# Altium PCB XMOS_TSBOARD.PcbDoc (part 1 of 3) (continued)
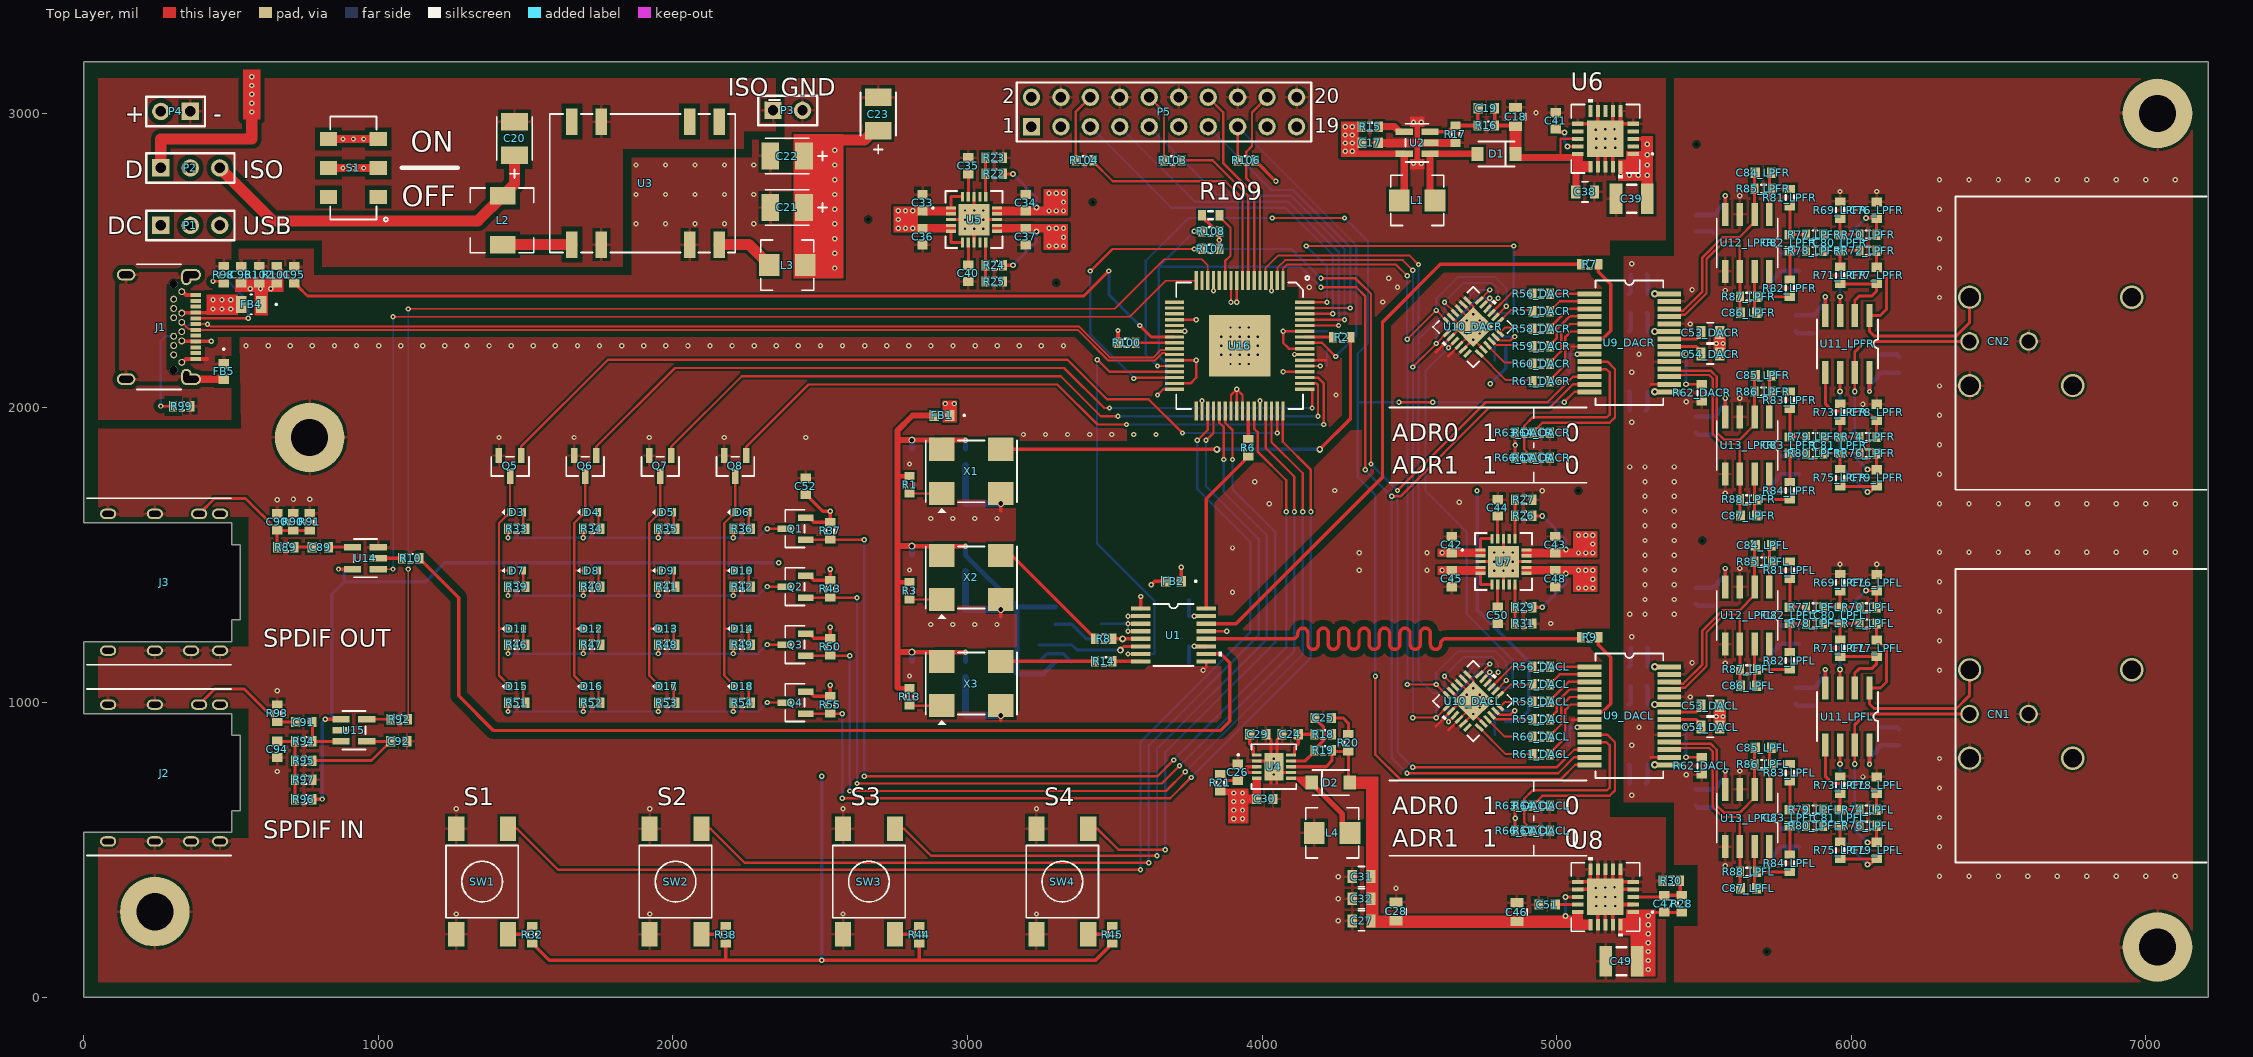
[diagram p0: Top Layer view]
## Components (designator, comment, footprint, x,y, rotation, side; value= is the part's Value field where it differs from the comment) (continued)
C65_LPFL "Cap Pol3" C0805 5762.32,1229.53 r90 bottom locked value=10uF (schematic designator C65)
C65_LPFR "Cap Pol3" C0805 5762.32,2494.53 r90 bottom locked value=10uF (schematic designator C65)
C66_LPFL "Cap Pol3" C0805 6102.32,884.53 r90 bottom locked value=10uF (schematic designator C66)
C66_LPFR "Cap Pol3" C0805 6102.32,2149.53 r90 bottom locked value=10uF (schematic designator C66)
C67_LPFL "Cap Semi" 1608[0603] 5822.32,537.56 r270 bottom locked value=100nF (schematic designator C67)
C67_LPFR "Cap Semi" 1608[0603] 5822.32,1802.56 r270 bottom locked value=100nF (schematic designator C67)
C68_LPFL "Cap Semi" 1608[0603] 5822.32,1227.56 r270 bottom locked value=100nF (schematic designator C68)
C68_LPFR "Cap Semi" 1608[0603] 5822.32,2492.56 r270 bottom locked value=100nF (schematic designator C68)
C69_LPFL "Cap Semi" 1608[0603] 6162.32,882.56 r270 bottom locked value=100nF (schematic designator C69)
C69_LPFR "Cap Semi" 1608[0603] 6162.32,2147.56 r270 bottom locked value=100nF (schematic designator C69)
C70_LPFL "Cap Semi" 1608[0603] 5812.32,1022.44 r90 bottom locked value=100nF (schematic designator C70)
C70_LPFR "Cap Semi" 1608[0603] 5812.32,2287.44 r90 bottom locked value=100nF (schematic designator C70)
C71_LPFL "Cap Pol3" C0805 5872.32,1020.47 r90 bottom locked value=10uF (schematic designator C71)
C71_LPFR "Cap Pol3" C0805 5872.32,2285.47 r90 bottom locked value=10uF (schematic designator C71)
C72_LPFL "Cap Semi" 1608[0603] 5472.32,1362.44 r90 bottom locked value=100nF (schematic designator C72)
C72_LPFR "Cap Semi" 1608[0603] 5472.32,2627.44 r90 bottom locked value=100nF (schematic designator C72)
C73_LPFL "Cap Pol3" C0805 5532.32,1360.47 r90 bottom locked value=10uF (schematic designator C73)
C73_LPFR "Cap Pol3" C0805 5532.32,2625.47 r90 bottom locked value=10uF (schematic designator C73)
C74_LPFL "Cap Semi" 1608[0603] 5472.32,677.44 r90 bottom locked value=100nF (schematic designator C74)
C74_LPFR "Cap Semi" 1608[0603] 5472.32,1942.44 r90 bottom locked value=100nF (schematic designator C74)
C75_LPFL "Cap Pol3" C0805 5532.32,675.47 r90 bottom locked value=10uF (schematic designator C75)
C75_LPFR "Cap Pol3" C0805 5532.32,1940.47 r90 bottom locked value=10uF (schematic designator C75)
C76_LPFL "Cap Semi" 1608[0603] 6086.85,1407 r90 top locked value=1.8nF (schematic designator C76)
C76_LPFR "Cap Semi" 1608[0603] 6086.85,2672 r90 top locked value=1.8nF (schematic designator C76)
C77_LPFL "Cap Semi" 1608[0603] 6086.85,1185 r270 top locked value=1.8nF (schematic designator C77)
C77_LPFR "Cap Semi" 1608[0603] 6086.85,2450 r270 top locked value=1.8nF (schematic designator C77)
C78_LPFL "Cap Semi" 1608[0603] 6086.85,720 r90 top locked value=1.8nF (schematic designator C78)
C78_LPFR "Cap Semi" 1608[0603] 6086.85,1985 r90 top locked value=1.8nF (schematic designator C78)
C79_LPFL "Cap Semi" 1608[0603] 6086.85,498 r270 top locked value=1.8nF (schematic designator C79)
C79_LPFR "Cap Semi" 1608[0603] 6086.85,1763 r270 top locked value=1.8nF (schematic designator C79)
C80_LPFL "Cap Semi" 1608[0603] 5962.32,1296 r90 top locked value=8.8nF (schematic designator C80)
C80_LPFR "Cap Semi" 1608[0603] 5962.32,2561 r90 top locked value=8.8nF (schematic designator C80)
C81_LPFL "Cap Semi" 1608[0603] 5962.32,609 r90 top locked value=8.8nF (schematic designator C81)
C81_LPFR "Cap Semi" 1608[0603] 5962.32,1874 r90 top locked value=8.8nF (schematic designator C81)
C82_LPFL "Cap Semi" 1608[0603] 5792.32,1296 r90 top locked value=6.8nF (schematic designator C82)
C82_LPFR "Cap Semi" 1608[0603] 5792.32,2561 r90 top locked value=6.8nF (schematic designator C82)
C83_LPFL "Cap Semi" 1608[0603] 5792.32,609 r90 top locked value=6.8nF (schematic designator C83)
C83_LPFR "Cap Semi" 1608[0603] 5792.32,1874 r90 top locked value=6.8nF (schematic designator C83)
C84_LPFL "Cap Semi" 1608[0603] 5701.85,1533.69 r0 top locked value=1.5nF (schematic designator C84)
C84_LPFR "Cap Semi" 1608[0603] 5701.85,2798.69 r0 top locked value=1.5nF (schematic designator C84)
C85_LPFL "Cap Semi" 1608[0603] 5701.85,846 r0 top locked value=1.5nF (schematic designator C85)
C85_LPFR "Cap Semi" 1608[0603] 5701.85,2111 r0 top locked value=1.5nF (schematic designator C85)
C86_LPFL "Cap Semi" 1608[0603] 5651.85,1057.69 r180 top locked value=1.5nF (schematic designator C86)
C86_LPFR "Cap Semi" 1608[0603] 5651.85,2322.69 r180 top locked value=1.5nF (schematic designator C86)
C87_LPFL "Cap Semi" 1608[0603] 5651.85,370 r180 top locked value=1.5nF (schematic designator C87)
C87_LPFR "Cap Semi" 1608[0603] 5651.85,1635 r180 top locked value=1.5nF (schematic designator C87)
C88 "Cap Semi" 1608[0603] 911.78,1453.1 r180 bottom locked value=100nF
C89 "Cap Semi" 1608[0603] 803.23,1527.88 r180 top locked value=100nF
C90 "Cap Semi" 1608[0603] 656.73,1613.16 r270 top locked value=33pF
C91 "Cap Semi" 1608[0603] 747.2,933.94 r0 top locked value=100nF
C92 "Cap Semi" 1608[0603] 1069.76,868.53 r180 top locked value=100nF
C93 "Cap Semi" 1608[0603] 841.73,925.93 r90 bottom locked value=100nF
C94 "Cap Semi" 1608[0603] 656.73,840.97 r90 top locked value=100nF
C95 "Cap Semi" 1608[0603] 715.12,2452.13 r270 top locked value=100nF
C96 "Cap Semi" 1608[0603] 535.12,2452.13 r270 top locked value=1uF
C97 "Cap Semi" 1608[0603] 4220.3,2114.92 r90 bottom locked value=100nF
C98 "Cap Semi" 1608[0603] 3835.3,2351.77 r90 bottom locked value=100nF
C99 "Cap Semi" 1608[0603] 3785.17,2260.59 r180 bottom locked value=100nF
C100 "Cap Semi" 1608[0603] 3796.1,2071.89 r270 bottom locked value=100nF
C101 "Cap Semi" 1608[0603] 3992.95,2071.89 r270 bottom locked value=100nF
C102 "Cap Semi" 1608[0603] 4062.74,2181.85 r0 bottom locked value=100nF
C103 "Cap Semi" 1608[0603] 4032.32,2351.77 r90 bottom locked value=100nF
C104 "Cap Semi" 1608[0603] 4062.74,2122.79 r0 bottom locked value=100nF
C105 "Cap Semi" 1608[0603] 4062.74,2260.59 r0 bottom locked value=100nF
C106 "Cap Semi" 1608[0603] 3785.17,2162.16 r180 bottom locked value=100nF
C107 "Cap Semi" 1608[0603] 3905.3,2351.77 r90 bottom locked value=100nF
C108 "Cap Semi" 1608[0603] 3914.21,2071.89 r270 bottom locked value=100nF
C109 "Cap Semi" 1608[0603] 3759.3,2334.33 r270 bottom locked value=100nF
CN1 "NC3MAH" NC3MAH 7102.32,961.16 r270 top locked
CN2 "NC3MAH" NC3MAH 7102.32,2226.15 r270 top locked
D1 "SL02" DO-219AB 4796.35,2862.6 r0 top locked value="1A 20V"
D2 "SL02" DO-219AB 4233.27,728.19 r180 top locked value="1A 20V"
D3 "BLUE" 0603_LED 1469.85,1646.3 r0 top locked
D4 "BLUE" 0603_LED 1724.81,1646.3 r0 top locked
D5 "BLUE" 0603_LED 1979.77,1646.3 r0 top locked
D6 "BLUE" 0603_LED 2234.73,1646.3 r0 top locked
D7 "BLUE" 0603_LED 1469.85,1448.27 r0 top locked
D8 "BLUE" 0603_LED 1724.81,1448.27 r0 top locked
D9 "BLUE" 0603_LED 1979.77,1448.27 r0 top locked
D10 "BLUE" 0603_LED 2234.73,1448.27 r0 top locked
D11 "BLUE" 0603_LED 1469.85,1250.02 r0 top locked
D12 "BLUE" 0603_LED 1724.81,1250.02 r0 top locked
D13 "BLUE" 0603_LED 1979.77,1250.02 r0 top locked
D14 "BLUE" 0603_LED 2234.73,1250.02 r0 top locked
D15 "BLUE" 0603_LED 1469.85,1054.65 r0 top locked
D16 "BLUE" 0603_LED 1724.81,1054.65 r0 top locked
D17 "BLUE" 0603_LED 1979.77,1054.65 r0 top locked
D18 "BLUE" 0603_LED 2234.73,1054.65 r0 top locked
FB1 "FerriteBeads" 0603 2913.35,1974.7 r180 top locked
FB2 "FerriteBeads" 0603 3699.46,1411.84 r180 top locked
FB3_DACL "FerriteBeads" 0603 4808.58,953.74 r135 bottom locked (schematic designator FB3)
FB3_DACR "FerriteBeads" 0603 4808.58,2223.74 r135 bottom locked (schematic designator FB3)
FB4 "FerriteBeads" 0805 568.62,2351.46 r180 top locked
FB5 "FerriteBeads" 0603 475.12,2124.3 r270 top locked
J1 "UJ31-CH-G1-SMT-TR" UJ31-CH-G1-SMT-TR 380.12,2383.23 r270 top locked
J2 "SJ-3506-SMT-TR" SJ-3506-SMT-TR 250,760.72 r0 top locked
J3 "SJ-3506-SMT-TR" SJ-3506-SMT-TR 250,1408.43 r0 top locked
L1 "SPM" 4240 4526.85,2705 r180 top locked value=6.8uH
L2 "SPM" 5250 1422.36,2637.26 r90 top locked value=10uH
L3 "SPM" 4240 2388.35,2485 r180 top locked value=4.7uH
L4 "SPM" 4240 4238.27,557.64 r180 top locked value=10uH
P1 "Header 3" HDR1X3 261.61,2620 r0 top locked
P2 "Header 3" HDR1X3 261.61,2815 r0 top locked
P3 "Header 2" HDR1X2 2339.96,3010.41 r0 top locked
P4 "Header 2" HDR1X2 361.61,3006.94 r180 top locked
P5 "Header 10X2" HDR2X10 3217.32,2955 r0 top locked
Q1 "MOSFET" SOT-23 2414.2,1590.55 r90 top locked
Q2 "MOSFET" SOT-23 2414.2,1393.7 r90 top locked
Q3 "MOSFET" SOT-23 2414.2,1196.85 r90 top locked
Q4 "MOSFET" SOT-23 2414.2,1000 r90 top locked
Q5 "BSS138" SOT-23 1447.1,1801.61 r180 top locked
Q6 "BSS138" SOT-23 1702.06,1801.61 r180 top locked
Q7 "BSS138" SOT-23 1957.02,1801.61 r180 top locked
Q8 "BSS138" SOT-23 2211.98,1801.61 r180 top locked
R1 "Res3" J1-0603 2803.35,1739.23 r90 top locked value=1K
R2 "Res3" J1-0603 4270.83,2240.9 r0 top locked value=43
R3 "Res3" J1-0603 2803.35,1379.23 r90 top locked value=1K
R4 "Res3" J1-0603 3298.66,1295.21 r270 bottom locked value=100
R5 "Res3" J1-0603 3298.66,1167.32 r270 bottom locked value=1K
R6 "Res3" J1-0603 3953.58,1864.6 r270 top locked value=43
R7 "Res3" J1-0603 5112.32,2487.68 r180 top locked value=43
R8 "Res3" J1-0603 3462.93,1216.47 r180 top locked value=43
R9 "Res3" J1-0603 5112.32,1221.34 r180 top locked value=43
R10 "Res3" J1-0603 1109.53,1490.5 r0 top locked value=43
R11 "Res3" J1-0603 3353.66,1295.21 r90 bottom locked value=100
R12 "Res3" J1-0603 3353.66,1167.32 r90 bottom locked value=1K
R13 "Res3" J1-0603 2803.35,1019.23 r90 top locked value=1K
R14 "Res3" J1-0603 3462.93,1139.7 r180 top locked value=43
R15 "Res3" J1-0603 4366.85,2955 r0 top locked value=1M
R16 "Res3" J1-0603 4761.38,2959.05 r0 top locked value=86.6K
R17 "Res3" J1-0603 4656.85,2929.53 r90 top locked value=10.2K
R18 "Res3" J1-0603 4207.8,892.64 r0 top locked value=121K
R19 "Res3" J1-0603 4207.8,837.64 r0 top locked value=1.2M
R20 "Res3" J1-0603 4293.27,863.23 r270 top locked value=100K
R21 "Res3" J1-0603 3858.27,727.64 r90 top locked value=10
R22 "Res3" J1-0603 3091.41,2794.56 r0 top locked value=2.55K
R23 "Res3" J1-0603 3091.41,2849.68 r0 top locked value=10.2K
R24 "Res3" J1-0603 3091.42,2484.56 r0 top locked value=33.2K
R25 "Res3" J1-0603 3091.42,2429.44 r0 top locked value=10.7K
R26 "Res3" J1-0603 4888.73,1633.56 r0 top locked value=33.2K
R27 "Res3" J1-0603 4888.73,1688.68 r0 top locked value=10.7K
R28 "Res3" J1-0603 5425,316.38 r90 top locked value=1.5M
R29 "Res3" J1-0603 4888.74,1323.56 r0 top locked value=56.2K
R30 "Res3" J1-0603 5390,395 r180 top locked value=162K
R31 "Res3" J1-0603 4888.74,1268.44 r0 top locked value=10.7K
R32 "Res3" J1-0603 1522.32,212.17 r90 top locked value=10K
R33 "Res3" J1-0603 1469.85,1590.55 r0 top locked value=470
R34 "Res3" J1-0603 1724.85,1590.55 r0 top locked value=470
R35 "Res3" J1-0603 1979.85,1590.55 r0 top locked value=470
R36 "Res3" J1-0603 2234.85,1590.55 r0 top locked value=470
R37 "Res3" J1-0603 2534.2,1582.58 r270 top locked value=10K
R38 "Res3" J1-0603 2178.99,212.17 r90 top locked value=10K
R39 "Res3" J1-0603 1469.85,1393.7 r0 top locked value=470
R40 "Res3" J1-0603 1724.85,1393.7 r0 top locked value=470
R41 "Res3" J1-0603 1979.85,1393.7 r0 top locked value=470
R42 "Res3" J1-0603 2234.85,1393.7 r0 top locked value=470
R43 "Res3" J1-0603 2534.2,1385.73 r270 top locked value=10K
R44 "Res3" J1-0603 2835.66,212.17 r90 top locked value=10K
R45 "Res3" J1-0603 3492.32,212.17 r90 top locked value=10K
R46 "Res3" J1-0603 1469.85,1196.85 r0 top locked value=470
R47 "Res3" J1-0603 1724.85,1196.85 r0 top locked value=470
R48 "Res3" J1-0603 1979.85,1196.85 r0 top locked value=470
R49 "Res3" J1-0603 2234.85,1196.85 r0 top locked value=470
R50 "Res3" J1-0603 2534.2,1188.88 r270 top locked value=10K
R51 "Res3" J1-0603 1469.85,1000 r0 top locked value=470
R52 "Res3" J1-0603 1724.85,1000 r0 top locked value=470
R53 "Res3" J1-0603 1979.85,1000 r0 top locked value=470
R54 "Res3" J1-0603 2234.85,1000 r0 top locked value=470
R55 "Res3" J1-0603 2534.2,992.03 r270 top locked value=10K
R56_DACL "JUMPER" J1-0603 4947.8,1121.34 r0 top locked value=0 (schematic designator R56)
R56_DACR "JUMPER" J1-0603 4947.8,2387.68 r0 top locked value=0 (schematic designator R56)
R57_DACL "JUMPER" J1-0603 4947.8,1062.02 r0 top locked value=0 (schematic designator R57)
R57_DACR "JUMPER" J1-0603 4947.8,2328.35 r0 top locked value=0 (schematic designator R57)
R58_DACL "JUMPER" J1-0603 4947.8,1002.69 r0 top locked value=0 (schematic designator R58)
R58_DACR "JUMPER" J1-0603 4947.8,2269.03 r0 top locked value=0 (schematic designator R58)
R59_DACL "JUMPER" J1-0603 4947.8,943.37 r0 top locked value=0 (schematic designator R59)
R59_DACR "JUMPER" J1-0603 4947.8,2209.71 r0 top locked value=0 (schematic designator R59)
R60_DACL "JUMPER" J1-0603 4947.8,884.05 r0 top locked value=0 (schematic designator R60)
R60_DACR "JUMPER" J1-0603 4947.8,2150.39 r0 top locked value=0 (schematic designator R60)
R61_DACL "JUMPER" J1-0603 4947.8,824.72 r0 top locked value=0 (schematic designator R61)
R61_DACR "JUMPER" J1-0603 4947.8,2091.06 r0 top locked value=0 (schematic designator R61)
R62_DACL "Res3" J1-0603 5492.32,784.72 r270 top locked value=10K (schematic designator R62)
R62_DACR "Res3" J1-0603 5492.32,2051.06 r270 top locked value=10K (schematic designator R62)
R63_DACL "JUMPER" J1-0603 4888.74,650 r0 top locked value=0 (schematic designator R63)
R63_DACR "JUMPER" J1-0603 4888.74,1916.34 r0 top locked value=0 (schematic designator R63)
R64_DACL "JUMPER" J1-0603 4947.8,650 r0 top locked value=0 (schematic designator R64)
R64_DACR "JUMPER" J1-0603 4947.8,1916.34 r0 top locked value=0 (schematic designator R64)
R65_DACL "Res3" J1-0603 5218.74,916.61 r0 bottom locked value=0 (schematic designator R65)
R65_DACR "Res3" J1-0603 5218.74,2182.95 r0 bottom locked value=0 (schematic designator R65)
R66_DACL "JUMPER" J1-0603 4888.74,565.47 r0 top locked value=0 (schematic designator R66)
R66_DACR "JUMPER" J1-0603 4888.74,1831.81 r0 top locked value=0 (schematic designator R66)
R67_DACL "JUMPER" J1-0603 4947.8,565.47 r0 top locked value=0 (schematic designator R67)
R67_DACR "JUMPER" J1-0603 4947.8,1831.81 r0 top locked value=0 (schematic designator R67)
R68_LPFL "Res3" J1-0603 5218.74,1760.84 r0 bottom locked value=0 (schematic designator R68)
R68_LPFR "Res3" J1-0603 5218.74,1338.73 r0 bottom locked value=0 (schematic designator R68)
R69_LPFL "Res3" J1-0603 5962.32,1407 r90 top locked value=330 (schematic designator R69)
R69_LPFR "Res3" J1-0603 5962.32,2672 r90 top locked value=330 (schematic designator R69)
R70_LPFL "Res3" J1-0603 6057.32,1323.56 r0 top locked value=620 (schematic designator R70)
R70_LPFR "Res3" J1-0603 6057.32,2588.56 r0 top locked value=620 (schematic designator R70)
R71_LPFL "Res3" J1-0603 5962.32,1185 r270 top locked value=620 (schematic designator R71)
R71_LPFR "Res3" J1-0603 5962.32,2450 r270 top locked value=620 (schematic designator R71)
R72_LPFL "Res3" J1-0603 6057.32,1268.44 r0 top locked value=330 (schematic designator R72)
R72_LPFR "Res3" J1-0603 6057.32,2533.44 r0 top locked value=330 (schematic designator R72)
R73_LPFL "Res3" J1-0603 5962.32,720 r90 top locked value=330 (schematic designator R73)
R73_LPFR "Res3" J1-0603 5962.32,1985 r90 top locked value=330 (schematic designator R73)
R74_LPFL "Res3" J1-0603 6057.32,636.56 r0 top locked value=620 (schematic designator R74)
R74_LPFR "Res3" J1-0603 6057.32,1901.56 r0 top locked value=620 (schematic designator R74)
R75_LPFL "Res3" J1-0603 5962.32,498 r270 top locked value=620 (schematic designator R75)
R75_LPFR "Res3" J1-0603 5962.32,1763 r270 top locked value=620 (schematic designator R75)
R76_LPFL "Res3" J1-0603 6057.32,581.44 r0 top locked value=330 (schematic designator R76)
R76_LPFR "Res3" J1-0603 6057.32,1846.44 r0 top locked value=330 (schematic designator R76)
R77_LPFL "Res3" J1-0603 5876.85,1323.56 r0 top locked value=430 (schematic designator R77)
R77_LPFR "Res3" J1-0603 5876.85,2588.56 r0 top locked value=430 (schematic designator R77)
R78_LPFL "Res3" J1-0603 5876.85,1268.44 r0 top locked value=430 (schematic designator R78)
R78_LPFR "Res3" J1-0603 5876.85,2533.44 r0 top locked value=430 (schematic designator R78)
R79_LPFL "Res3" J1-0603 5876.85,636.56 r0 top locked value=430 (schematic designator R79)
R79_LPFR "Res3" J1-0603 5876.85,1901.56 r0 top locked value=430 (schematic designator R79)
R80_LPFL "Res3" J1-0603 5876.85,581.44 r0 top locked value=430 (schematic designator R80)
R80_LPFR "Res3" J1-0603 5876.85,1846.44 r0 top locked value=430 (schematic designator R80)
R81_LPFL "Res3" J1-0603 5792.32,1449.17 r270 top locked value=240 (schematic designator R81)
R81_LPFR "Res3" J1-0603 5792.32,2714.17 r270 top locked value=240 (schematic designator R81)
R82_LPFL "Res3" J1-0603 5792.32,1142.22 r90 top locked value=240 (schematic designator R82)
R82_LPFR "Res3" J1-0603 5792.32,2407.22 r90 top locked value=240 (schematic designator R82)
R83_LPFL "Res3" J1-0603 5792.32,761.47 r270 top locked value=240 (schematic designator R83)
R83_LPFR "Res3" J1-0603 5792.32,2026.47 r270 top locked value=240 (schematic designator R83)
R84_LPFL "Res3" J1-0603 5792.32,454.53 r90 top locked value=240 (schematic designator R84)
R84_LPFR "Res3" J1-0603 5792.32,1719.53 r90 top locked value=240 (schematic designator R84)
R85_LPFL "Res3" J1-0603 5701.85,1478.69 r0 top locked value=820 (schematic designator R85)
R85_LPFR "Res3" J1-0603 5701.85,2743.69 r0 top locked value=820 (schematic designator R85)
R86_LPFL "Res3" J1-0603 5701.85,791 r0 top locked value=820 (schematic designator R86)
R86_LPFR "Res3" J1-0603 5701.85,2056 r0 top locked value=820 (schematic designator R86)
R87_LPFL "Res3" J1-0603 5651.85,1112.69 r180 top locked value=820 (schematic designator R87)
R87_LPFR "Res3" J1-0603 5651.85,2377.69 r180 top locked value=820 (schematic designator R87)
R88_LPFL "Res3" J1-0603 5651.85,425 r180 top locked value=820 (schematic designator R88)
R88_LPFR "Res3" J1-0603 5651.85,1690 r180 top locked value=820 (schematic designator R88)
R89 "Res3" J1-0603 686.26,1527.88 r180 top locked value=220
R90 "Res3" J1-0603 711.73,1613.16 r270 top locked value=220
R91 "Res3" J1-0603 766.73,1613.16 r270 top locked value=220
R92 "Res3" J1-0603 1071.73,943.33 r180 top locked value=91
R93 "Res3" J1-0603 656.73,963.47 r270 top locked value=91
R94 "Res3" J1-0603 747.2,868.53 r0 top locked value=470
R95 "Res3" J1-0603 747.2,803.11 r0 top locked value=470
R96 "Res3" J1-0603 747.2,672.28 r0 top locked value=820
R97 "Res3" J1-0603 747.2,737.69 r180 top locked value=470
R98 "Res3" J1-0603 475.12,2452.13 r90 top locked value=5.1K
R99 "Res3" J1-0603 332.68,2006.46 r0 top locked value=5.1K
R100 "Res3" J1-0603 3540.6,2221.22 r0 top locked value=43.2
R101 "Res3" J1-0603 655.12,2452.13 r90 top locked value=10K
R102 "Res3" J1-0603 595.12,2452.13 r90 top locked value=47K
R103 "Res3" J1-0603 3696.85,2840.79 r180 top locked value=33
R104 "Res3" J1-0603 3396.85,2840.79 r180 top locked value=33
R105 "Res3" J1-0603 4220.42,2231.06 r90 bottom locked value=4.7
R106 "Res3" J1-0603 3946.85,2840.79 r180 top locked value=1K
R107 "Res3" J1-0603 3825.62,2540 r180 top locked value=4.7K
R108 "Res3" J1-0603 3825.62,2600 r180 top locked value=4.7K
R109 "Res3" J1-0603 3825.62,2654.06 r180 top value=1K
S1 "SSSS213202" SS_SMD_213202 915.43,2815 r90 top locked
SW1 "FSM6JSMA" SW_6X6 1352.32,392.17 r90 top locked
SW2 "FSM6JSMA" SW_6X6 2008.99,392.17 r90 top locked
SW3 "FSM6JSMA" SW_6X6 2665.66,392.17 r90 top locked
SW4 "FSM6JSMA" SW_6X6 3322.32,392.17 r90 top locked
U1 "LMK00804B" PW16 3699.46,1229.27 r0 top locked
U2 "LMR62421" DBV5 4526.85,2900 r180 top locked
U3 "NXJ2S0505MC" SMD_NXJ2S0505 1896.98,2763.24 r0 top locked
U4 "TPS63700" DRC10 4040.2,782.32 r0 top locked
U5 "TPS7A87" RTJ20 3022.51,2639.56 r0 top locked
U6 "TPS7A4701" RGW20 5165.85,2913.78 r180 top locked
U7 "TPS7A87" RTJ20 4819.83,1478.56 r0 top locked
U8 "TPS7A3301" RGW20 5165.85,340 r180 top locked
U9_DACL "DSD1794A" DB28 5247.32,955 r0 top locked (schematic designator U9)
U9_DACR "DSD1794A" DB28 5247.32,2221.34 r0 top locked (schematic designator U9)
U10_DACL "TS3A27518E" RTW24 4717.32,1005 r135 top locked (schematic designator U10)
U10_DACR "TS3A27518E" RTW24 4717.32,2275 r135 top locked (schematic designator U10)
U11_LPFL "OPA1612AID" D8 5987.32,952.5 r270 top locked (schematic designator U11)
U11_LPFR "OPA1612AID" D8 5987.32,2217.5 r270 top locked (schematic designator U11)
U12_LPFL "OPA1612AID" D8 5647.32,1295.69 r270 top locked (schematic designator U12)
U12_LPFR "OPA1612AID" D8 5647.32,2560.69 r270 top locked (schematic designator U12)
U13_LPFL "OPA1612AID" D8 5647.32,608 r270 top locked (schematic designator U13)
U13_LPFR "OPA1612AID" D8 5647.32,1873 r270 top locked (schematic designator U13)
U14 "SN74AUP1G79" DBV5 955.79,1490.5 r180 top locked
U15 "FIN1002" DBV5 916.73,905.93 r0 top locked
U16 "XUF208-256-TQ64" TQFP64 3924.05,2211.38 r270 top locked
X1 "SiT8208" 7050 3013.35,1784.7 r0 top locked
X2 "SiT8208" 7050 3013.35,1424.7 r0 top locked
X3 "SiT8208" 7050 3013.35,1064.7 r0 top locked

## Footprints (in the part's own frame and the unit in brackets; to place one, negate y for a bottom-side part, rotate by r counter-clockwise, add the part's x,y. Pads: shape width x height; smd on the part's side, far side on the other; paste and mask are expansions set on the pad)
0603 [mil]
  rect 32x37 smd paste+0 mask+0: 1(-26.5,0) 2(26.5,0)
  silkscreen extent -78,-3 -73,3, body extent -34,-18 34,19, height 37
0603_LED [mil]
  rect 17.5x28 smd paste+0 mask+0: 1(-22.75,0) 2(22.75,0)
  silkscreen extent -50,-10 -40,10, body extent -31,-16 32,16, height 32
0805 [mil]
  rect 36x57 smd paste+0 mask+0: 1(-33.5,0) 2(33.5,0)
  silkscreen extent -88,-34 3,34, body extent -43,-28 44,29, height 41
1608[0603] [mm] "Chip Capacitor, Body 1.6x0.8mm, IPC High Density"
  rect 0.8x0.9 smd: 1(-0.7,0) 2(0.7,0)
  body extent -0.87,-0.48 0.87,0.48, height 1.3
3528-21 [mil]
  rect 60x91 smd paste+0 mask+0: 1(-57,0) 2(57,0)
  silkscreen extent -135,-60 74,60, body extent -69,-55 69,55, height 85
4240 [mm]
  rect 1.8x1.9 smd mask+0: 1(-1.55,0) 2(1.55,0)
  silkscreen extent -2.29,-2.16 2.29,2.16, body extent -2.1,-2 2.1,2, height 3
5250 [mm]
  rect 1.5x2.2 smd mask+0: 1(-2.1,0) 2(2.1,0)
  silkscreen extent -2.79,-2.67 2.79,2.79, body extent -2.6,-2.5 2.6,2.5, height 3
7050 [mm]
  rect 2.2x2 smd mask+0: 1(-2.54,-1.905) 2(2.54,-1.905) 3(2.54,1.905) 4(-2.54,1.905)
  silkscreen extent -3.94,-3.56 3.94,2.67, body extent -3.5,-2.5 3.5,2.5, height 0.9
C0805 [mil]
  rect 31.5x44 smd paste+0 mask+0: 1(-31.75,0) 2(31.75,0)
  silkscreen extent -11,-34 11,34, body extent -43,-29 44,29, height 52
C1210 [mm] "Chip Capacitor, Body 3.2x2.5mm, IPC High Density"
  rect 1.1x2.6 smd: 1(-1.35,0) 2(1.35,0)
  silkscreen extent -0.4,-1.2 0.4,1.2, body extent -1.7,-1.35 1.7,1.35, height 1.3
D8 [mil]
  rect 78x22 smd paste+0 mask+0: 1(-97,75) 2(-97,25) 3(-97,-25) 4(-97,-75) 5(97,-75) 6(97,-25) 7(97,25) 8(97,75)
  silkscreen extent -84,-104 84,104, body extent -122,-98 122,99, height 69
DB28 [mil]
  rect 81x17 smd paste+0 mask+0: 1(-135,166.34) 2(-135,140.75) 3(-135,115.16) 4(-135,89.57) 5(-135,63.98) 6(-135,38.39) 7(-135,12.8) 8(-135,-12.8) 9(-135,-38.39) 10(-135,-63.98) 11(-135,-89.57) 12(-135,-115.16) 13(-135,-140.75) 14(-135,-166.34) 15(135,-166.34) 16(135,-140.75) 17(135,-115.16) 18(135,-89.57) 19(135,-63.98) 20(135,-38.39) 21(135,-12.8) 22(135,12.8) 23(135,38.39) 24(135,63.98) 25(135,89.57) 26(135,115.16) 27(135,140.75) 28(135,166.34)
  silkscreen extent -115,-212 115,212, body extent -161,-206 162,207, height 79
DBV5 [mil]
  rect 58x22 smd paste+0 mask+0: 1(-44,37.4) 2(-44,0) 3(-44,-37.4) 4(44,-37.4) 5(44,37.4)
  silkscreen extent -39,-65 40,65, body extent -59,-60 59,60, height 57
DO-219AB [mil]
  rect 41x47 smd paste+0 mask+0: 1(-64.5,0) 2(64.5,0)
  silkscreen extent -62,-42 62,42, body extent -77,-37 77,37, height 32
DRC10 [mm]
  rect 0.85x0.28 smd paste-0.14 mask+0: 1(-1.475,1) 2(-1.475,0.5) 3(-1.475,0) 4(-1.475,-0.5) 5(-1.475,-1) 6(1.475,-1) 7(1.475,-0.5) 8(1.475,0) 9(1.475,0.5) 10(1.475,1)
  rect 1.65x2.4 smd paste-0.825 mask+0: 11(0,0)
  silkscreen extent -3.14,-1.93 1.93,1.93, body extent -1.55,-1.55 1.55,1.55, height 1
HDR1X2 [mm] "Connector; Header; 2 Position"
  rect 1.5x1.5 hole 0.9: 1(0,0)
  round 1.5 hole 0.9: 2(2.54,0)
  silkscreen extent -1.27,-1.27 3.81,1.27
HDR1X3 [mm] "Connector; Header; 3 Position"
  rect 1.5x1.5 hole 0.9: 1(0,0)
  round 1.5 hole 0.9: 2(2.54,0) 3(5.08,0)
  silkscreen extent -1.27,-1.27 6.35,1.27
HDR2X10 [mm] "Connector; Header; 10x2 Position"
  rect 1.5x1.5 hole 0.9: 1(0,0)
  round 1.5 hole 0.9: 2(0,2.54) 3(2.54,0) 4(2.54,2.54) 5(5.08,0) 6(5.08,2.54) 7(7.62,0) 8(7.62,2.54) 9(10.16,0) 10(10.16,2.54) 11(12.7,0) 12(12.7,2.54) 13(15.24,0) 14(15.24,2.54) 15(17.78,0) 16(17.78,2.54) 17(20.32,0) 18(20.32,2.54) 19(22.86,0) 20(22.86,2.54)
  silkscreen extent -1.27,-1.27 24.13,3.81
J1-0603 [mm] "Chip Resistor, Body 1.6x0.8mm, IPC High Density"
  rect 0.7x0.9 smd: 1(-0.75,0) 2(0.75,0)
  silkscreen extent -0.2,-0.35 0.2,0.35, body extent -0.85,-0.48 0.85,0.48, height 0.9
NC3MAH [mm]
  round 2 hole 1.6: 1(3.81,-17.78) 2(-3.81,-17.78)
  round 1.6 hole 1.2: 3(0,-17.78) G(0,-12.7)
  silkscreen extent -12.5,-19 12.8,2.67, body extent -12.5,-19 12.8,2.7, height 25.3
PW16 [mil]
  rect 66x14 smd paste+0 mask+0: 1(-111,89.57) 2(-111,63.98) 3(-111,38.39) 4(-111,12.8) 5(-111,-12.8) 6(-111,-38.39) 7(-111,-63.98) 8(-111,-89.57) 9(111,-89.57) 10(111,-63.98) 11(111,-38.39) 12(111,-12.8) 13(111,12.8) 14(111,38.39) 15(111,63.98) 16(111,89.57)
  silkscreen extent -68,-106 164,106, body extent -130,-101 130,101, height 47
RGW20 [mm]
  rect 1x0.35 smd paste-0.175 mask+0: 1(-2.4,1.3) 2(-2.4,0.65) 3(-2.4,0) 4(-2.4,-0.65) 5(-2.4,-1.3) 11(2.4,-1.3) 12(2.4,-0.65) 13(2.4,0) 14(2.4,0.65) 15(2.4,1.3)
  rect 0.35x1 smd paste-0.175 mask+0: 6(-1.3,-2.4) 7(-0.65,-2.4) 8(0,-2.4) 9(0.65,-2.4) 10(1.3,-2.4) 16(1.3,2.4) 17(0.65,2.4) 18(0,2.4) 19(-0.65,2.4) 20(-1.3,2.4)
  rect 3.15x3.15 smd paste-1.562 mask-1.562: 21(0,0)
  silkscreen extent -4.13,-3.41 2.96,3.41, body extent -2.63,-2.63 2.63,2.63, height 1
RTJ20 [mm]
  rect 0.85x0.28 smd paste-0.14 mask+0: 1(-1.975,1) 2(-1.975,0.5) 3(-1.975,0) 4(-1.975,-0.5) 5(-1.975,-1) 11(1.975,-1) 12(1.975,-0.5) 13(1.975,0) 14(1.975,0.5) 15(1.975,1)
  rect 0.28x0.85 smd paste-0.14 mask+0: 6(-1,-1.975) 7(-0.5,-1.975) 8(0,-1.975) 9(0.5,-1.975) 10(1,-1.975) 16(1,1.975) 17(0.5,1.975) 18(0,1.975) 19(-0.5,1.975) 20(-1,1.975)
  rect 2.7x2.7 smd paste-1.337 mask-1.333: 21(0,0)
  silkscreen extent -3.62,-2.46 2.46,2.46, body extent -2.13,-2.13 2.13,2.13, height 0.8
RTW24 [mm]
  rect 0.85x0.28 smd paste-0.14 mask+0: 1(-1.975,1.25) 2(-1.975,0.75) 3(-1.975,0.25) 4(-1.975,-0.25) 5(-1.975,-0.75) 6(-1.975,-1.25) 13(1.975,-1.25) 14(1.975,-0.75) 15(1.975,-0.25) 16(1.975,0.25) 17(1.975,0.75) 18(1.975,1.25)
  rect 0.28x0.85 smd paste-0.14 mask+0: 7(-1.25,-1.975) 8(-0.75,-1.975) 9(-0.25,-1.975) 10(0.25,-1.975) 11(0.75,-1.975) 12(1.25,-1.975) 19(1.25,1.975) 20(0.75,1.975) 21(0.25,1.975) 22(-0.25,1.975) 23(-0.75,1.975) 24(-1.25,1.975)
  rect 2.45x2.45 smd paste-1.212 mask-1.206: 25(0,0)
  silkscreen extent -2.46,-2.91 2.46,2.91, body extent -2.13,-2.13 2.13,2.13, height 0.74
SJ-3506-SMT-TR [mm]
  oval 1.4x0.9 hole 0.5 slot 1 at 0 deg: 1(-4.25,5.9) 2(3.6,5.9) 3(5.4,-5.9) 4(2.9,-5.9) 5(-4.25,-5.9) 6(5.4,5.9) SH1(-0.22,5.9) SH2(-0.22,-5.9)
  silkscreen extent -6.1,-7.11 6.35,7.24, body extent -8.8,-6.4 6.6,6.4, height 3.25
SMD_NXJ2S0505 [mm]
  rect 1x2.3 smd mask+0: 1(-6.097,-5.3) 2(-3.557,-5.3) 5(4.063,-5.3) 6(6.603,-5.3) 7(6.603,5.3) 8(4.063,5.3) 11(-3.557,5.3) 12(-6.097,5.3)
  silkscreen extent -8,-5.97 8,5.97, body extent -7.75,-5.71 7.75,5.72, height 4.39
SOT-23 [mil]
  rect 22x52 smd paste+0 mask+0: 1(-37.5,-37.21) 2(37.5,-37.21) 3(0,33.36)
  silkscreen extent -64,-33 64,33, body extent -59,-50 59,50, height 39
SS_SMD_213202 [mm]
  rect 1.2x1.5 smd mask+0: 1(-2.5,-2.15) 1(-2.5,2.15) 2(0,2.15) 2(0,-2.15) 3(2.5,-2.15) 3(2.5,2.15)
  silkscreen extent -4.61,-2.96 4.44,2, body extent -4.25,-2.5 4.25,2.5, height 5.8
SW_6X6 [mil]
  rect 83x55 smd paste+0 mask+0: 1(-179,88) 2(179,88) 3(-179,-88) 4(179,-88)
  silkscreen extent -123,-123 123,123, body extent -177,-119 178,119, height 169
TQFP64 [mil]
  rect 65.5x11 smd paste+0 mask+0: 1(-221.25,147.64) 2(-221.25,127.95) 3(-221.25,108.27) 4(-221.25,88.58) 5(-221.25,68.9) 6(-221.25,49.21) 7(-221.25,29.53) 8(-221.25,9.84) 9(-221.25,-9.84) 10(-221.25,-29.53) 11(-221.25,-49.21) 12(-221.25,-68.9) 13(-221.25,-88.58) 14(-221.25,-108.27) 15(-221.25,-127.95) 16(-221.25,-147.64) 33(221.25,-147.64) 34(221.25,-127.95) 35(221.25,-108.27) 36(221.25,-88.58) 37(221.25,-68.9) 38(221.25,-49.21) 39(221.25,-29.53) 40(221.25,-9.84) 41(221.25,9.84) 42(221.25,29.53) 43(221.25,49.21) 44(221.25,68.9) 45(221.25,88.58) 46(221.25,108.27) 47(221.25,127.95) 48(221.25,147.64)
  rect 11x65.5 smd paste+0 mask+0: 17(-147.64,-221.25) 18(-127.95,-221.25) 19(-108.27,-221.25) 20(-88.58,-221.25) 21(-68.9,-221.25) 22(-49.21,-221.25) 23(-29.53,-221.25) 24(-9.84,-221.25) 25(9.84,-221.25) 26(29.53,-221.25) 27(49.21,-221.25) 28(68.9,-221.25) 29(88.58,-221.25) 30(108.27,-221.25) 31(127.95,-221.25) 32(147.64,-221.25) 49(147.64,221.25) 50(127.95,221.25) 51(108.27,221.25) 52(88.58,221.25) 53(68.9,221.25) 54(49.21,221.25) 55(29.53,221.25) 56(9.84,221.25) 57(-9.84,221.25) 58(-29.53,221.25) 59(-49.21,221.25) 60(-68.9,221.25) 61(-88.58,221.25) 62(-108.27,221.25) 63(-127.95,221.25) 64(-147.64,221.25)
  rect 208.66x208.66 smd mask+0: 65(0,0)
  silkscreen extent -237,-215 215,237, body extent -240,-240 240,240, height 47
UJ31-CH-G1-SMT-TR [mm]
  rect 0.35x0.89 smd: A1(0,0) A2(0.5,0) A3(1,0) A4(1.5,0) A5(2,0) A6(2.5,0) A7(3,0) A8(3.5,0) A9(4,0) A10(4.5,0) A11(5,0) A12(5.5,0)
  round 0.6 hole 0.4: B1(5.8,-1.205) B2(5.15,-1.905) B3(4.35,-1.905) B4(3.95,-1.205) B5(3.55,-1.905) B6(3.15,-1.205) B7(2.35,-1.205) B8(1.95,-1.905) B9(1.55,-1.205) B10(1.15,-1.905) B11(0.35,-1.905) B12(-0.3,-1.205)
  round 0.7 hole 0.7 unplated: None(-0.975,-1.905) None(6.475,-1.905)
  oval 1x1.6 hole 0.6 slot 1.2 at 90 deg: SH1(-1.75,-6.005) SH4(7.25,-6.005)
  oval 1.4x0.9 hole 0.5 slot 1 at 0 deg: SH2(-1.55,-0.805) SH5(7.05,-0.805)
  oval 1x1.7 hole 0.6 slot 1.3 at 90 deg: SH3(-1.75,-0.4) SH6(7.25,-0.4)
  silkscreen extent -2.67,-5.08 8.13,-1.27, body extent -2.2,-9.65 7.7,0.35, height 3.5

## Part data
C1 C2 C3 C4 C5 C6 C7 C8 C9 C10 C11 C12 C13 C14 C15 C16 C17 C18 C19 C24 C25 C26 C27 C28 C29 C30 C31 C32 C33 C34 C35 C36 C37 C38 C39 C40 C41 C42 C43 C44 C45 C46 C47 C48 C49 C50 C51 C52 C55_DACL C55_DACR C57_DACL C57_DACR C59_DACL C59_DACR C61_DACL C61_DACR C63_DACL C63_DACR C67_LPFL C67_LPFR C68_LPFL C68_LPFR C69_LPFL C69_LPFR C70_LPFL C70_LPFR C72_LPFL C72_LPFR C74_LPFL C74_LPFR C76_LPFL C76_LPFR C77_LPFL C77_LPFR C78_LPFL C78_LPFR C79_LPFL C79_LPFR C80_LPFL C80_LPFR C81_LPFL C81_LPFR C82_LPFL C82_LPFR C83_LPFL C83_LPFR C84_LPFL C84_LPFR C85_LPFL C85_LPFR C86_LPFL C86_LPFR C87_LPFL C87_LPFR C88 C89 C90 C91 C92 C93 C94 C95 C96 C97 C98 C99 C100 C101 C102 C103 C104 C105 C106 C107 C108 C109: "Capacitor (Semiconductor SIM Model)", LatestRevisionDate=29-May-2009, LatestRevisionNote="IPC-7351 Footprint Added.", PackageDescription="Chip Capacitor", PackageReference=C1206, Published=8-Jun-2000, Publisher="Altium Limited"
C20 C22 C23: library part T520B, "Polymer Electrolytic Capacitors", RatedVoltage=16V
C21: library part T520B, "Polymer Electrolytic Capacitors", RatedVoltage=10V
C53_DACL C53_DACR C54_DACL C54_DACR C56_DACL C56_DACR C58_DACL C58_DACR C60_DACL C60_DACR C62_DACL C62_DACR C64_LPFL C64_LPFR C65_LPFL C65_LPFR C66_LPFL C66_LPFR C71_LPFL C71_LPFR C73_LPFL C73_LPFR C75_LPFL C75_LPFR: "Polarized Capacitor (Surface Mount)", LatestRevisionDate=29-May-2009, LatestRevisionNote="IPC-7351 Footprint Added.", PackageDescription="Chip Capacitor", PackageReference=C0805, Published=8-Jun-2000, Publisher="Altium Limited"
CN1 CN2: "3 pole male XLR receptacle"
D1 D2: "Schottky Rectifier"
D3 D4 D5 D6 D7 D8 D9 D10 D11 D12 D13 D14 D15 D16 D17 D18: library part LED, "LED"
FB1 FB2 FB3_DACL FB3_DACR: "Chip Ferrite Beads", DCResistance=0.35O, RatedCurrent=500mA, Impedance(100MHz)=600O, ManID=BLM18EG601
FB4: "Chip Ferrite Beads", DCResistance=0.06O, RatedCurrent=2.3A, Impedance(100MHz)=600O, ManID=BLM21SP601
FB5: "Chip Ferrite Beads", DCResistance=0.55O, RatedCurrent=300mA, Impedance(100MHz)=47O, ManID=BLM18BA470
J1: "USB Type C receptacle"
J2 J3: "Mid Mount Audio Jack"
L1 L2 L3 L4: "Inductors for power circuits, wound metal, SPM series"
  L1: ManCode=SPM5030-HZ
  L4: List=SPM5030-HZ
P1 P2: "Header, 3-Pin", LatestRevisionDate=17-Jul-2002, LatestRevisionNote="Re-released for DXP Platform.", Publisher="Altium Limited"
P3 P4: "Header, 2-Pin", LatestRevisionDate=17-Jul-2002, LatestRevisionNote="Re-released for DXP Platform.", Publisher="Altium Limited"
P5: "Header, 10-Pin, Dual row", LatestRevisionDate=17-Jul-2002, LatestRevisionNote="Re-released for DXP Platform.", Publisher="Altium Limited"
Q1 Q2 Q3 Q4: library part BSS84, "MOSFET, P-Channel, Logic Level, 50V, 130mA, SOT23"
Q5 Q6 Q7 Q8: "MOSFET, N-Channel, Logic Level, 50V, 220mA, SOT23"
R1 R2 R3 R4 R5 R6 R7 R8 R9 R10 R11 R12 R13 R14 R15 R16 R17 R18 R19 R20 R21 R22 R23 R24 R25 R26 R27 R28 R29 R30 R31 R32 R33 R34 R35 R36 R37 R38 R39 R40 R41 R42 R43 R44 R45 R46 R47 R48 R49 R50 R51 R52 R53 R54 R55 R62_DACL R62_DACR R65_DACL R65_DACR R68_LPFL R68_LPFR R69_LPFL R69_LPFR R70_LPFL R70_LPFR R71_LPFL R71_LPFR R72_LPFL R72_LPFR R73_LPFL R73_LPFR R74_LPFL R74_LPFR R75_LPFL R75_LPFR R76_LPFL R76_LPFR R77_LPFL R77_LPFR R78_LPFL R78_LPFR R79_LPFL R79_LPFR R80_LPFL R80_LPFR R81_LPFL R81_LPFR R82_LPFL R82_LPFR R83_LPFL R83_LPFR R84_LPFL R84_LPFR R85_LPFL R85_LPFR R86_LPFL R86_LPFR R87_LPFL R87_LPFR R88_LPFL R88_LPFR R89 R90 R91 R92 R93 R94 R95 R96 R97 R98 R99 R100 R101 R102 R103 R104 R105 R106 R107 R108 R109: "Resistor", LatestRevisionDate=29-May-2009, LatestRevisionNote="IPC-7351 Footprint Added.", PackageDescription="Chip Resistor", PackageReference=J1-0603, Published=8-Jun-2000, Publisher="Altium Limited"
R56_DACL R56_DACR R57_DACL R57_DACR R58_DACL R58_DACR R59_DACL R59_DACR R60_DACL R60_DACR R61_DACL R61_DACR R63_DACL R63_DACR R64_DACL R64_DACR R66_DACL R66_DACR R67_DACL R67_DACR: library part Res3, "Resistor", LatestRevisionDate=29-May-2009, LatestRevisionNote="IPC-7351 Footprint Added.", PackageDescription="Chip Resistor", PackageReference=J1-0603, Published=8-Jun-2000, Publisher="Altium Limited"
S1: "Slide Switch 3.5(H)mm, 2.0mm-travel Type SSSS2 Series"
SW1 SW2 SW3 SW4: "Switch Push Button N.O. SPST Round Button 0.05A 12VDC 1VA Alternate Contact Gull Wing SMD T/R"
U1: "Low Skew, 1-to-4 Multiplexed Differential/LVCMOS-to-LVCMOS/TTL Fanout Buffer"
U2: "LMR62421 SIMPLE SWITCHER® 24Vout, 2.1A Step-Up Voltage Regulator in SOT-23"
U3: "Isolated 2W Single Output SM DC-DC Converters"
U4: "DC-DC Inverter"
U5 U7: "Dual, 500-mA, Low-Noise (3.8 µVRMS), LDO Voltage Regulator"
U6: "TPS7A470x 36-V, 1-A, 4-µVRMS, RF LDO Voltage Regulator"
U8: "TPS7A33 –36-V, 1-A, Ultralow-Noise Negative Voltage Regulator"
U9_DACL U9_DACR: "24-Bit 192-kHz Sampling Advanced Segment Audio Stereo DAC"
U10_DACL U10_DACR: "6-Channel, 1:2 Multiplexer/Demultiplexer"
U11_LPFL U11_LPFR U12_LPFL U12_LPFR U13_LPFL U13_LPFR: "SoundPlus High-Performance, Bipolar-Input Audio Operational Amplifiers"
U14: "Low-Power Single Positive-Edge-Triggered D-Type Flip-Flop"
U15: "LVDS 1-Bit High Speed Differential Receiver"
U16: "xCORE Multicore Microcontrollers"
X1: "Ultra Performance Oscillator", Frequency=24MHz
X2: "Ultra Performance Oscillator", Frequency=22.5792MHz
X3: "Ultra Performance Oscillator", Frequency=24.576MHz

## Free pads (board coordinates)
  round 236.22 / inner round 196.85 / far side round 236.22 hole 125.98: 6(766.73,1900) 7(241.34,290) 8(7040,170) 8(7040,3000)

## Via types
v1: diameter 18, hole 8, Top Layer to Bottom Layer, tented both sides, 573 vias
v2: diameter 20, hole 10, Top Layer to Bottom Layer, tented both sides, 28 vias
v3: diameter 0/95 (per signal layer), hole 12, Top Layer to Bottom Layer, tented top, 7 vias